# Altium PCB Steezy60SMK.PcbDoc (part 2 of 2)
Units mm, origin at the board's own origin, x right, y up, seen from the top; angles counter-clockwise.
Board outline 285.25 x 94.86 mm, 2 copper layers (Component Side, Bottom Layer), stack 1.571 mm thick; 192 components, 116 nets, 1090 pads, 120 vias.
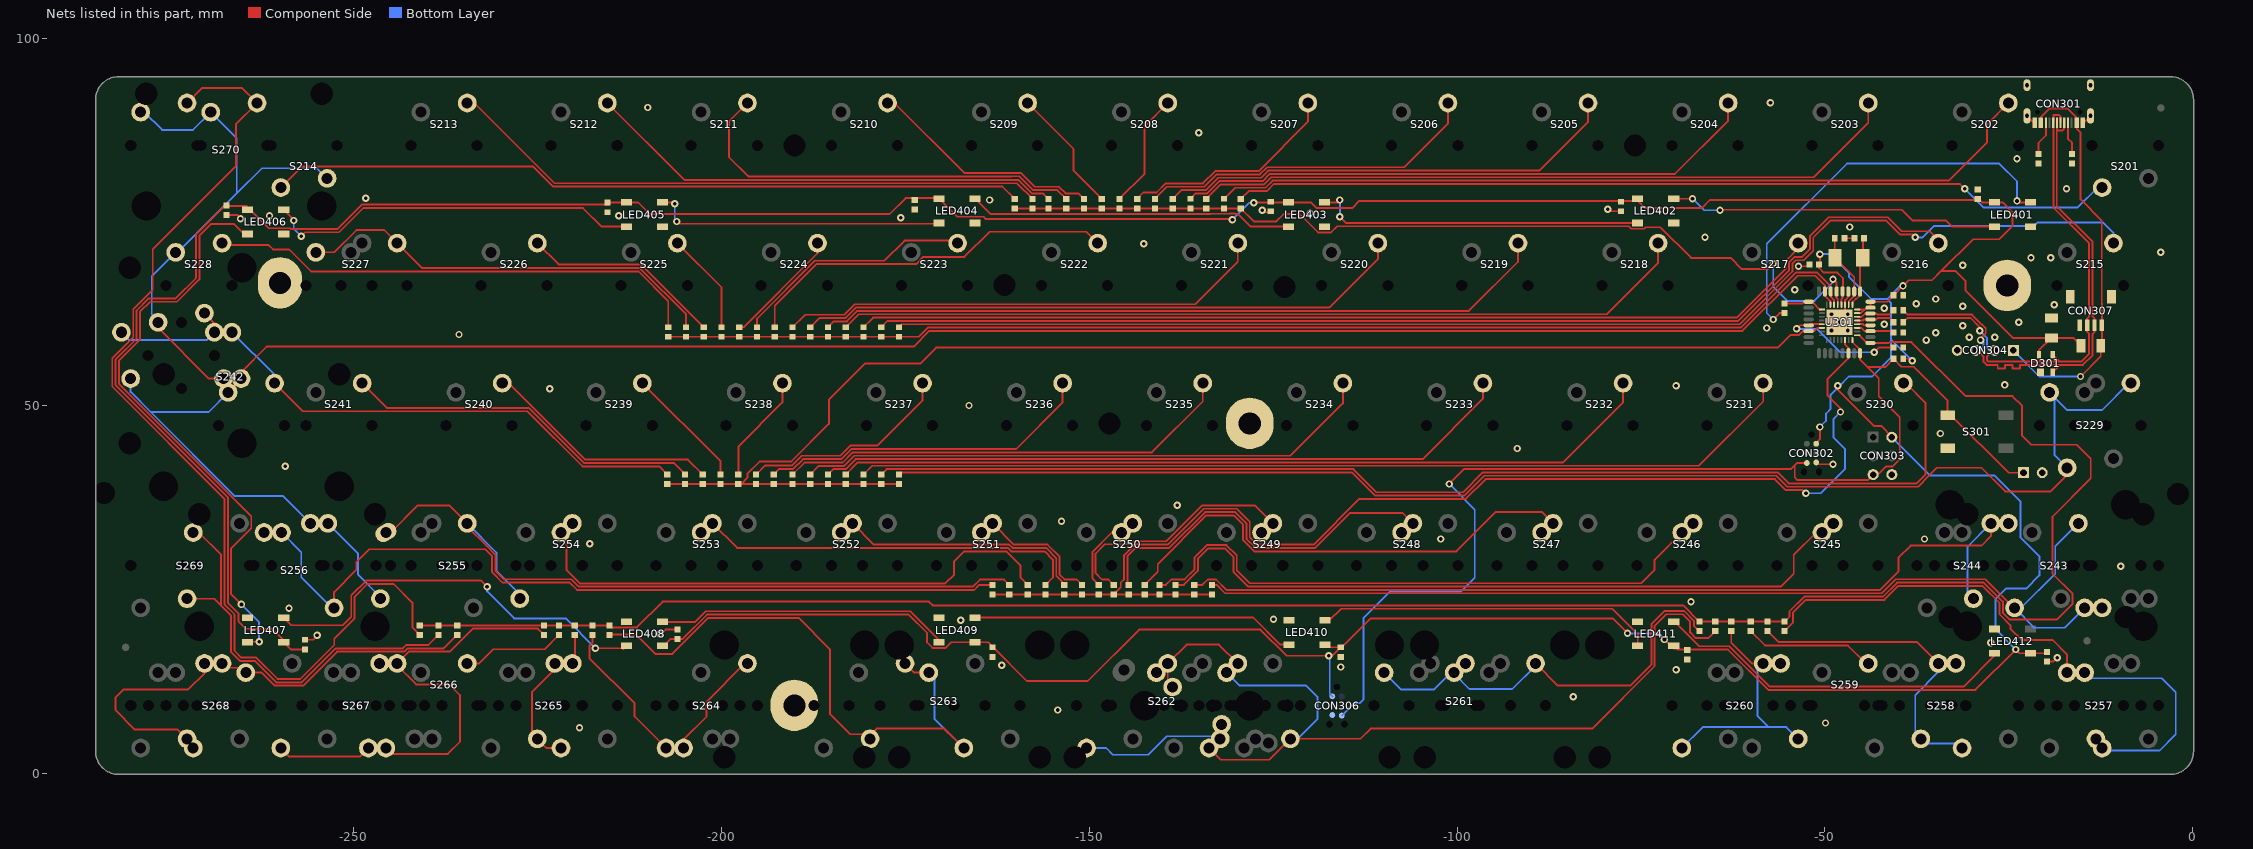
[diagram p2: the nets of this part, all layers, seen from the top]

## Via types
v1: diameter 1, hole 0.5, Component Side to Bottom Layer, tented both sides, 115 vias
v2: diameter 1, hole 0.5, Component Side to Bottom Layer, tented bottom, 5 vias

## Nets (pads, with @x,y where several pads share a name; then routed paths per layer and width w, separated by ;. In a path a pad name is that pad's centre, name@x,y a point inside that pad or via, vN(x,y) a via of type N, cw(c..) or ccw(c..) an arc to the next point about the centre after c; other vN are vias at no path point) (continued)
col13: S214.2 S228.2 S242.2 S256.2 S270.2 U301.7 | length 361.7
  Component Side w0.254: S242.2@-276.63,61.345 -276.63,60.603 -269.722,53.695 S242.2@-267.742,53.695 ; S228.2@-274.237,70.865 -273.937,70.565 S228.2@-273.937,70.102 ; S242.2@-267.73,53.235 S242.2@-267.73,53.695 ; S242.2@-267.1,51.815 -265.349,53.566 S242.2@-265.349,53.695 -265.349,54.583 -261.893,58.039 -173.904,58.039 -171.777,60.166 -61.225,60.166 -53.711,67.68 -51.297,67.68 -50.006,66.389 U301.7@-50.006,65.541 -50.006,64.978 -49.256,64.228 U301.7@-49.256,63.741
  Bottom Layer w0.254: S242.2@-280.361,53.695 -280.361,51.888 -277.622,49.149 ; S270.2@-279,89.915 -278.51,89.915 -276.098,87.503 -271.887,87.503 S270.2@-269.475,89.915 -265.936,86.376 -265.936,78.867 ; S242.2@-276.63,61.345 -276.63,61.571 -277.495,62.436 -277.495,67.608 S228.2@-274.237,70.865 ; S228.2@-273.937,70.865 -265.936,78.867 ; S242.2@-267.1,51.815 -269.766,49.149 -277.622,49.149 ; S242.2@-266.641,52.015 -266.484,52.038 -266.441,52.045 S242.2@-266.437,52.045 ; S242.2@-266.45,51.562 -266.703,51.562 S242.2@-266.45,51.815 ; S256.2@-255.93,34.015 -259.634,37.719 -266.192,37.719 -277.622,49.149 ; S214.2@-253.65,80.915 -255.031,82.296 -262.507,82.296 -265.936,78.867 ; S256.2@-253.549,34.015 -249.428,29.894 -249.428,27.017 -246.405,23.994 S256.2@-246.405,23.765
D_N: CON301.A7 CON301.B7 CON304.3 CON307.2 D301.2 R305.2 | length 73.8
  Component Side w0.254: R305.2@-39.35,62.992 -38.753,62.395 -30.01,62.395 -28.643,61.028 -28.612,61.028 -28.126,60.542 -28.126,59.854 -28.829,59.151 v1(-28.829,58.928) ; CON304.3@-29.464,57.531 -29.312,57.531 -28.423,56.642 -28.423,55.97 -28.002,55.55 -27.5,55.55 -26.496,55.55 -26.496,55.05 -25.492,55.05 -25.492,55.55 -24.488,55.55 -24.488,55.05 -23.484,55.05 -23.484,55.55 -19.431,55.55 -17.992,55.55 ; D301.2@-18.989,54.553 -17.992,55.55 ; -18.471,87.627 -18.471,77.145 -13.606,72.28 -13.606,62.133 -13.335,61.862 CON307.2@-13.335,60.96 -13.335,60.058 -13.606,59.787 -13.606,56.867 -14.924,55.55 -17.992,55.55 ; CON301.A7@-18.45,88.5 -18.427,88.5 -18.427,87.448 -17.665,87.448 -17.473,87.64 -17.473,88.5 CON301.B7@-17.45,88.5
  Bottom Layer w0.254: CON304.3@-29.464,56.896 -29.146,57.213 -28.423,57.937 -28.423,58.547 -28.804,58.928 v1(-28.829,58.928)
D_P: CON301.A6 CON301.B6 CON304.2 CON307.3 D301.3 R306.2 | length 70.1
  Component Side w0.254: R306.2@-39.35,61.341 -38.753,61.938 -30.199,61.938 -28.956,60.694 v1(-28.956,60.198) ; CON304.2@-26.924,57.531 -27.076,57.531 -27.965,56.642 -27.965,56.159 -27.813,56.007 -18.043,56.007 ; D301.3@-18.989,56.953 -18.043,56.007 ; CON301.A6@-17.95,88.5 -17.97,88.52 -17.97,89.357 -18.165,89.552 -18.927,89.552 -18.927,88.5 CON301.B6@-18.95,88.5 -18.95,87.648 -18.929,87.627 -18.929,76.956 -14.064,72.091 -14.064,62.133 -14.335,61.862 CON307.3@-14.335,60.96 -14.335,60.058 -14.064,59.787 -14.064,57.056 -15.113,56.007 -18.043,56.007
  Bottom Layer w0.254: v1@-28.925,60.198 -27.965,59.238 -27.965,57.937 -27.241,57.213 CON304.2@-26.924,56.896
D_PRE_N: R305.1 U301.30 | length 5.5
  Component Side w0.254: U301.30@-45.606,62.091 -44.984,62.091 -44.534,62.541 U301.30@-43.806,62.541 -42.979,62.541 -42.833,62.395 -41.237,62.395 -40.645,62.987 R305.1@-40.64,62.992
D_PRE_P: R306.1 U301.29 | length 5.4
  Component Side w0.254: U301.29@-45.606,61.591 -44.835,61.591 -44.685,61.741 U301.29@-43.806,61.741 -42.979,61.741 -42.782,61.938 -41.237,61.938 -40.645,61.346 R306.1@-40.64,61.341
GND: C301.1 C302.1 C303.1 C304.1 C305.1 C306.1 C401.1 C402.1 C403.1 C404.1 C405.1 C406.1 C407.1 C408.1 C409.1 C410.1 C411.1 C412.1 CON301.A1B12 CON301.B1A12 CON301.S1 CON302.6 CON303.6 CON304.4 CON305.2 CON306.6 CON307.4 CON307.5 D301.1 LED401.3 LED402.3 LED403.3 LED404.3 LED405.3 LED406.3 LED407.3 LED408.3 LED409.3 LED410.3 LED411.3 LED412.3 pad.CHECK@-25.2,66.365 pad.POKER@-190.119,9.271 pad.POKER@-260.05,66.715 pad.TADA R301.2 R303.2 R304.2 S301.2 U301.3 U301.28 | length 26.3
  Component Side w0.254: C406.1@-267.335,75.931 -265.796,75.931 -265.366,75.501 v1@-265.303,75.438 ; C407.1@-256.667,18.176 -255.509,18.176 -254.952,18.732 v1@-254.889,18.796 ; v1@-208.28,18.923 -207.63,19.573 C408.1@-205.994,19.573 ; v1@-126.492,76.312 C403.1@-125.349,76.312 ; v1@-79.375,76.708 -79.106,76.439 C402.1@-77.724,76.439 ; v1(-53.594,68.961) -52.339,68.961 C302.1@-52.085,69.215 ; CON302.6@-51.308,42.291 -51.244,42.227 -51.054,42.037 v1(-48.895,42.037) ; v2(-48.006,61.341) -47.256,62.091 -47.256,62.441 U301.3@-47.256,63.741 -47.256,64.37 -46.806,64.82 U301.3@-46.806,65.541 ; C306.1@-47.356,72.771 C305.1@-45.974,72.771 ; U301.28@-45.606,61.091 -44.835,61.091 -44.685,60.941 U301.28@-43.806,60.941 ; CON301.S1@-22.52,89.415 -21.605,88.5 CON301.B1A12@-21.45,88.5 ; C412.1@-19.812,15.225 -18.938,15.225 v1(-18.415,15.748) ; CON301.A1B12@-14.95,88.5 -14.795,88.5 CON301.S1@-13.88,89.415
  other v1: -219.329,6.223 -49.911,6.858 -154.305,8.636 -84.201,10.414 -70.231,14.097 -115.824,14.478 -161.925,14.732 -27.432,17.78 -255.016,18.796 -208.407,18.923 -167.513,20.828 -124.968,20.955 -258.826,22.479 -68.199,23.368 -9.779,28.194 -217.932,31.242 -102.235,31.877 -36.449,31.877 -153.797,34.29 -138.049,36.449 -259.334,41.783 -91.821,44.196 -34.29,46.228 -166.37,50.038 -223.393,52.324 -70.231,52.705 -25.527,52.832 -36.195,58.928 -30.353,59.309 -26.924,59.309 -235.712,59.69 -34.925,59.944 -57.912,60.579 -31.242,60.871 -41.91,61.087 -23.622,61.341 -41.91,63.246 -31.242,63.538 -18.796,63.754 -37.592,63.881 -34.925,64.516 -54.102,65.786 -31.242,69.088 -21.971,70.104 -19.304,70.104 -4.318,70.866 -142.621,72.009 -66.294,72.898 -46.609,74.295 -265.43,75.438 -175.641,75.565 -261.493,75.819 -213.995,75.819 -120.015,76.2 -126.492,76.581 -79.502,76.708 -163.576,77.978 -248.412,78.232 -17.145,79.502 -23.876,83.566 -135.128,87.122 -210.058,90.551 -57.404,91.186
  other v2: -49.106,60.241 -46.906,60.241 -49.106,62.441 -46.906,62.441
NetC301_2: C301.2 U301.27 | length 5.2
  Component Side w0.254: U301.27@-45.606,60.591 -45.025,60.591 -44.575,60.141 U301.27@-43.806,60.141 -40.852,60.141 C301.2@-40.655,59.944
NetC305_2: C305.2 U301.1 X301.1 | length 9.7
  Component Side w0.254: U301.1@-46.256,63.741 -46.256,64.086 -45.828,64.514 -45.757,64.514 -45.206,65.065 U301.1@-45.206,65.541 -45.206,69.734 X301.1@-44.836,70.104 -44.836,72.609 C305.2@-44.674,72.771
NetC306_2: C306.2 U301.2 X301.2 | length 10.4
  Component Side w0.254: C306.2@-48.656,72.771 -48.656,70.124 X301.2@-48.636,70.104 -46.006,67.474 U301.2@-46.006,65.541 -46.006,64.978 -46.756,64.228 U301.2@-46.756,63.741
NetCON301_A5: CON301.A5 R303.1 | length 4.5
  Component Side w0.254: CON301.A5@-16.95,88.5 -16.95,86.322 -16.383,85.755 R303.1@-16.383,84.231
NetCON301_B5: CON301.B5 R304.1 | length 4.7
  Component Side w0.254: R304.1@-20.955,84.216 -20.955,85.74 -19.95,86.745 CON301.B5@-19.95,88.5
NetD201_1: D201.1 S201.1 | length 120.4
  Component Side w0.254: D201.1@-129.413,78.12 -128.342,79.191 -125.872,79.191 -124.91,80.153 -31.639,80.153 v1(-30.988,79.502)
  Bottom Layer w0.254: v1(-30.988,79.502) -28.448,76.962 -15.635,76.962 -12.932,79.665 S201.1@-12.3,79.665
NetD202_1: D202.1 S202.1 | length 113.5
  Component Side w0.254: D202.1@-131.699,78.142 -130.196,79.645 -126.06,79.645 -125.098,80.607 -33.185,80.607 -27.94,85.852 -27.94,88.275 S202.1@-25.05,91.165
NetD203_1: D203.1 S203.1 | length 97
  Component Side w0.254: D203.1@-134.112,78.12 -132.133,80.099 -126.248,80.099 -125.286,81.061 -51.527,81.061 -44.1,88.488 S203.1@-44.1,91.165
NetD204_1: D204.1 S204.1 | length 79.9
  Component Side w0.254: D204.1@-136.271,78.142 -135.546,78.867 -134.007,78.867 -132.321,80.553 -126.436,80.553 -125.474,81.515 -70.377,81.515 -63.15,88.742 S204.1@-63.15,91.165
NetD205_1: D205.1 S205.1 | length 63.4
  Component Side w0.254: D205.1@-138.684,78.135 -137.498,79.321 -134.195,79.321 -132.509,81.007 -126.624,81.007 -125.662,81.969 -88.846,81.969 -82.2,88.615 S205.1@-82.2,91.165
NetD206_1: D206.1 S206.1 | length 46.9
  Component Side w0.254: D206.1@-141.097,78.135 -139.457,79.775 -134.383,79.775 -132.697,81.461 -126.812,81.461 -125.85,82.423 -107.188,82.423 -101.25,88.361 S206.1@-101.25,91.165
NetD207_1: D207.1 S207.1 | length 30.1
  Component Side w0.254: D207.1@-143.51,78.135 -142.651,78.994 -140.88,78.994 -139.645,80.229 -134.571,80.229 -132.885,81.915 -127,81.915 -120.3,88.615 S207.1@-120.3,91.165
NetD208_1: D208.1 S208.1 | length 15.8
  Component Side w0.254: D208.1@-145.923,78.135 -142.494,81.564 -142.494,88.021 S208.1@-139.35,91.165
NetD209_1: D209.1 S209.1 | length 17.2
  Component Side w0.254: S209.1@-158.4,91.165 -152.146,84.911 -152.146,81.945 D209.1@-148.336,78.135
NetD210_1: D210.1 S210.1 | length 32.1
  Component Side w0.254: S210.1@-177.45,91.165 -176.509,91.165 -167.005,81.661 -159.349,81.661 -157.463,79.775 -154.16,79.775 -153.247,78.862 -151.491,78.862 D210.1@-150.749,78.12
NetD211_1: D211.1 S211.1 | length 59.1
  Component Side w0.254: S211.1@-196.5,91.165 -199.009,88.656 -199.009,83.82 -196.342,81.153 -160.655,81.153 ; -163.195,81.207 -159.537,81.207 -157.651,79.321 -154.348,79.321 D211.1@-153.162,78.135
NetD212_1: D212.1 S212.1 | length 65.4
  Component Side w0.254: S212.1@-215.55,91.165 -205.084,80.699 -159.671,80.699 -157.839,78.867 -156.322,78.867 D212.1@-155.575,78.12
NetD213_1: D213.1 S213.1 | length 82.3
  Component Side w0.254: S213.1@-234.6,91.165 -233.652,91.165 -222.732,80.245 -159.859,80.245 D213.1@-157.734,78.12
NetD214_1: D214.1 S214.1 | length 102.8
  Component Side w0.254: S214.1@-259.95,79.665 -257.103,82.512 -225.641,82.512 -222.92,79.791 -161.818,79.791 D214.1@-160.147,78.12
NetD215_1: D215.1 S215.1 | length 176.6
  Component Side w0.254: D215.1@-175.895,60.674 -175.495,61.074 -61.601,61.074 -54.421,68.254 -54.421,69.304 -53.937,69.788 -52.887,69.788 -51.574,71.101 -51.574,72.879 -49.269,75.184 -41.656,75.184 -39.743,73.271 -38.092,73.271 v1(-37.719,72.898)
  Bottom Layer w0.254: v1(-37.719,72.898) -36.703,72.898 -35.179,74.422 -21.59,74.422 -21.082,74.93 -12.192,74.93 -10.763,73.501 S215.1@-10.763,72.115
NetD216_1: D216.1 S216.1 | length 153.3
  Component Side w0.254: D216.1@-178.308,60.674 -177.454,61.528 -61.789,61.528 -54.875,68.442 -54.875,69.492 -54.125,70.242 -53.075,70.242 -52.028,71.289 -52.028,73.067 -49.457,75.638 -41.468,75.638 -39.555,73.725 -35.762,73.725 -34.575,72.538 S216.1@-34.575,72.115
NetD217_1: D217.1 S217.1 | length 132.9
  Component Side w0.254: D217.1@-180.721,60.674 -179.413,61.982 -61.977,61.982 -55.329,68.63 -55.329,69.68 -53.625,71.384 S217.1@-53.625,72.115
NetD218_1: D218.1 S218.1 | length 116.8
  Component Side w0.254: D218.1@-183.134,60.674 -181.372,62.436 -79.677,62.436 -72.675,69.438 S218.1@-72.675,72.115
NetD219_1: D219.1 S219.1 | length 100.1
  Component Side w0.254: D219.1@-185.547,60.674 -184.753,61.468 -182.982,61.468 -181.56,62.89 -98.4,62.89 -91.725,69.565 S219.1@-91.725,72.115
NetD220_1: D220.1 S220.1 | length 83.2
  Component Side w0.254: D220.1@-187.96,60.674 -186.712,61.922 -183.17,61.922 -181.748,63.344 -117.377,63.344 -110.775,69.946 S220.1@-110.775,72.115
NetD221_1: D221.1 S221.1 | length 66.8
  Component Side w0.254: D221.1@-190.373,60.674 -188.671,62.376 -183.358,62.376 -181.936,63.798 -135.592,63.798 -129.825,69.565 S221.1@-129.825,72.115
NetD222_1: D222.1 S222.1 | length 51.7
  Component Side w0.254: D222.1@-192.786,60.674 -192.786,63.613 -187.131,69.268 -173.564,69.268 -172.601,70.231 -167.005,70.231 -163.576,73.66 -150.42,73.66 S222.1@-148.875,72.115
NetD223_1: D223.1 S223.1 | length 33
  Component Side w0.254: D223.1@-195.199,60.674 -195.199,61.842 -187.319,69.722 -177.873,69.722 -175.133,72.462 -168.272,72.462 S223.1@-167.925,72.115
NetD224_1: D224.1 S224.1 | length 16.2
  Component Side w0.254: D224.1@-197.612,60.674 -197.009,60.674 -186.975,70.708 S224.1@-186.975,72.115
NetD225_1: D225.1 S225.1 | length 13.9
  Component Side w0.254: S225.1@-206.025,72.115 -200.025,66.115 D225.1@-200.025,60.674
NetD226_1: D226.1 S226.1 | length 27.4
  Component Side w0.254: S226.1@-225.075,72.115 -222.175,69.215 -210.979,69.215 D226.1@-202.438,60.674
NetD227_1: D227.1 S227.1 | length 58.1
  Component Side w0.254: S227.1@-255.187,70.865 -252.683,70.865 -249.652,73.896 -245.906,73.896 S227.1@-244.125,72.115 -240.717,68.707 -211.113,68.707 -204.851,62.445 D227.1@-204.851,60.674
NetD228_1: D228.1 S228.1 | length 67.5
  Component Side w0.254: S228.1@-267.938,72.115 -267.704,71.882 -261.641,71.882 -261.006,71.247 -258.826,71.247 -255.832,68.253 -211.301,68.253 -207.264,64.216 D228.1@-207.264,60.674
NetD229_1: D229.1 S229.1 | length 190.2
  Component Side w0.254: D229.1@-175.895,40.655 -175.622,40.928 -114.3,40.928 -111.164,37.792 -99.009,37.792 -96.327,40.474 -56.596,40.474 -55.111,38.989 -37.331,38.989 -35.868,40.452 -35.868,40.457 -34.76,41.565 -28.702,41.565 -25.491,38.354 -19.304,38.354 -17.062,40.596 S229.1@-17.062,41.565
  Bottom Layer w0.254: S229.1@-19.444,51.815 S229.1@-18.796,51.167 ; S229.1@-17.062,41.565 -17.062,41.573 -18.796,43.307 S229.1@-18.796,51.167 ; S229.1@-8.381,53.065 -8.657,53.065 -12.319,49.403 -17.032,49.403 S229.1@-18.796,51.167
NetD230_1: D230.1 S230.1 | length 159.7
  Component Side w0.254: D230.1@-178.308,40.65 -177.576,41.382 -114.112,41.382 -110.976,38.246 -99.197,38.246 -96.515,40.928 -56.408,40.928 -54.923,39.443 -37.519,39.443 -36.322,40.64 -36.322,50.419 -38.968,53.065 S230.1@-39.338,53.065
NetD231_1: D231.1 S231.1 | length 128.9
  Component Side w0.254: D231.1@-180.721,40.65 -179.535,41.836 -67.13,41.836 -58.388,50.578 S231.1@-58.388,53.065
NetD232_1: D232.1 S232.1 | length 112.4
  Component Side w0.254: D232.1@-183.134,40.65 -181.494,42.29 -85.599,42.29 -77.438,50.451 S232.1@-77.438,53.065
NetD233_1: D233.1 S233.1 | length 95.4
  Component Side w0.254: D233.1@-185.547,40.65 -184.82,41.377 -183.159,41.377 -181.792,42.744 -104.703,42.744 -96.488,50.959 S233.1@-96.488,53.065
NetD234_1: D234.1 S234.1 | length 79.2
  Component Side w0.254: D234.1@-187.96,40.65 -186.779,41.831 -183.347,41.831 -181.98,43.198 -122.664,43.198 -115.538,50.324 S234.1@-115.538,53.065
NetD235_1: D235.1 S235.1 | length 62.4
  Component Side w0.254: D235.1@-190.373,40.65 -188.738,42.285 -183.535,42.285 -182.168,43.652 -141.514,43.652 -134.588,50.578 S235.1@-134.588,53.065
NetD236_1: D236.1 S236.1 | length 45.9
  Component Side w0.254: D236.1@-192.913,40.65 -192.161,41.402 -190.263,41.402 -188.926,42.739 -183.723,42.739 -182.356,44.106 -159.983,44.106 -153.638,50.451 S236.1@-153.638,53.065
NetD237_1: D237.1 S237.1 | length 29.1
  Component Side w0.254: D237.1@-195.326,40.65 -194.12,41.856 -190.451,41.856 -189.114,43.193 -183.911,43.193 -182.527,44.577 -178.875,44.577 -172.688,50.765 S237.1@-172.688,53.065
NetD238_1: D238.1 S238.1 | length 14.9
  Component Side w0.254: D238.1@-197.739,40.65 -197.739,44.45 -191.738,50.451 S238.1@-191.738,53.065
NetD239_1: D239.1 S239.1 | length 16.8
  Component Side w0.254: S239.1@-210.788,53.065 -200.152,42.43 D239.1@-200.152,40.65
NetD240_1: D240.1 S240.1 | length 32.4
  Component Side w0.254: S240.1@-229.838,53.065 -228.946,53.065 -218.553,42.672 -204.587,42.672 D240.1@-202.565,40.65
NetD241_1: D241.1 S241.1 | length 49
  Component Side w0.254: S241.1@-248.888,53.065 -245.533,49.711 -226.234,49.711 -218.741,42.218 -206.541,42.218 D241.1@-204.978,40.655
NetD242_1: D242.1 S242.1 | length 84.6
  Component Side w0.254: S242.1@-270.33,62.595 -268.98,61.245 S242.1@-268.98,59.995 ; S242.1@-260.8,53.065 -256.992,49.257 -226.422,49.257 -218.929,41.764 -208.505,41.764 D242.1@-207.391,40.65
  Bottom Layer w0.254: S242.1@-281.611,59.995 -280.544,58.928 -270.047,58.928 S242.1@-268.98,59.995 ; S242.1@-266.599,59.995 -260.8,54.196 S242.1@-260.8,53.065
NetD243_1: D243.1 S243.1 | length 139.5
  Component Side w0.254: D243.1@-133.35,25.65 -132.705,25.65 -131.566,24.511 -42.284,24.511 -40.379,26.416 -28.205,26.416 -25.151,23.363 -25.151,23.246 -24.42,22.515 S243.1@-24.206,22.515
  Bottom Layer w0.254: S243.1@-15.525,34.015 -18.669,30.871 -18.669,27.178 -23.332,22.515 S243.1@-24.206,22.515 -21.503,19.812 -17.384,19.812 S243.1@-14.681,22.515
NetD244_1: D244.1 S244.1 | length 127
  Component Side w0.254: D244.1@-135.763,25.65 -134.637,25.65 -133.91,26.377 -132.79,26.377 -131.378,24.965 -42.472,24.965 -40.005,27.432 -40.005,29.337 -38.354,30.988 -28.702,30.988 -27.431,32.259 S244.1@-27.431,34.015
  Bottom Layer w0.254: S244.1@-29.812,23.765 -30.607,24.56 -30.607,30.839 S244.1@-27.431,34.015
NetD245_1: D245.1 S245.1 | length 98.8
  Component Side w0.254: D245.1@-138.303,25.65 -137.164,25.65 -135.255,27.559 -135.255,29.21 -133.858,30.607 -131.572,30.607 -130.429,29.464 -130.429,27.432 -128.416,25.419 -55.988,25.419 -54.229,27.178 -54.229,29.718 -51.182,32.765 S245.1@-50.4,32.765
NetD246_1: D246.1 S246.1 | length 81.2
  Component Side w0.254: D246.1@-140.462,25.65 -139.59,25.65 -138.863,26.377 -137.079,26.377 -135.709,27.747 -135.709,29.398 -134.046,31.061 -131.384,31.061 -129.975,29.652 -129.975,27.62 -128.228,25.873 -74.965,25.873 -73.152,27.686 -73.152,29.063 S246.1@-69.45,32.765
NetD247_1: D247.1 S247.1 | length 66.6
  Component Side w0.254: D247.1@-142.494,25.65 -140.716,27.428 -140.716,28.464 -134.093,35.087 -130.351,35.087 -129.105,33.841 -129.105,31.727 -127.584,30.207 -100.095,30.207 -94.742,35.56 -88.507,35.56 S247.1@-86.962,34.015 ; S247.1@-88.901,32.765 S247.1@-88.5,32.765
NetD248_1: D248.1 S248.1 | length 51.1
  Component Side w0.254: D248.1@-144.653,25.65 -144.834,25.831 -144.834,29.505 -143.678,30.661 -139.161,30.661 -134.281,35.541 -130.163,35.541 -128.651,34.029 -128.651,31.915 -127.396,30.661 -119.319,30.661 -114.547,35.433 -107.43,35.433 S248.1@-106.012,34.015
NetD249_1: D249.1 S249.1 | length 33.6
  Component Side w0.254: D249.1@-146.685,25.65 -147.412,26.377 -148.297,26.377 -149.152,27.232 -149.152,29.911 -147.895,31.168 -144.455,31.168 -144.054,31.569 -139.537,31.569 -134.657,36.449 -127.496,36.449 S249.1@-125.062,34.015
NetD250_1: D250.1 S250.1 | length 12
  Component Side w0.254: D250.1@-148.717,25.65 -149.606,26.539 -149.606,30.099 -146.94,32.765 S250.1@-145.65,32.765 S250.1@-144.907,32.022 ; S250.1@-144.112,32.915 S250.1@-144.112,34.015
NetD251_1: D251.1 S251.1 | length 18.1
  Component Side w0.254: S251.1@-164.7,32.765 S251.1@-163.957,32.022 ; S251.1@-163.162,34.015 -160.262,31.115 -155.702,31.115 -154.051,29.464 -154.051,27.051 -153.377,26.377 -151.73,26.377 D251.1@-151.003,25.65
NetD252_1: D252.1 S252.1 | length 33.8
  Component Side w0.254: S252.1@-182.212,34.015 -179.312,31.115 -160.904,31.115 -160.45,30.661 -155.89,30.661 -154.505,29.276 -154.505,26.863 -153.565,25.923 -153.416,25.923 D252.1@-153.416,25.65
NetD253_1: D253.1 S253.1 | length 53.2
  Component Side w0.254: S253.1@-202.8,32.765 S253.1@-202.057,32.022 ; S253.1@-201.262,34.015 -197.908,30.661 -161.092,30.661 -160.638,30.207 -156.078,30.207 -154.959,29.088 -154.959,26.647 D253.1@-155.956,25.65
NetD254_1: D254.1 S254.1 | length 74.6
  Component Side w0.254: S254.1@-221.85,32.765 -221.107,32.022 -221.107,27.686 -219.275,25.854 -169.599,25.854 -168.402,27.051 -168.402,28.829 -167.024,30.207 -161.29,30.207 -159.385,28.302 -159.385,26.666 D254.1@-158.369,25.65
NetD255_1: D255.1 S255.1 | length 106.3
  Component Side w0.254: S255.1@-245.662,32.765 -244.984,32.765 -241.3,36.449 -237.034,36.449 S255.1@-234.6,34.015 -234.6,33.559 -231.975,30.934 -231.968,30.934 -230.759,29.725 -230.759,27.559 -229.616,26.416 -220.479,26.416 -219.463,25.4 -165.843,25.4 -164.866,26.377 -161.636,26.377 D255.1@-160.909,25.65
  Bottom Layer w0.254: S255.1@-234.6,34.015 -230.632,30.047 -230.632,27.559 -227.456,24.383 S255.1@-227.456,23.765
NetD256_1: D256.1 S256.1 | length 111.9
  Component Side w0.254: S256.1@-252.705,22.515 -252.705,24.663 -249.682,27.686 -249.682,28.702 -247.904,30.48 -232.156,30.48 -231.213,29.537 -231.213,27.371 -229.804,25.962 -220.667,25.962 -219.651,24.946 -165.655,24.946 -164.951,25.65 D256.1@-163.195,25.65
  Bottom Layer w0.254: S256.1@-259.849,32.765 -257.175,30.091 -257.175,26.67 -253.02,22.515 S256.1@-252.705,22.515
NetD257_1: D257.1 S257.1 | length 80.6
  Component Side w0.254: D257.1@-55.499,19.35 -54.356,20.493 -54.356,21.844 -52.597,23.603 -41.908,23.603 -40.003,25.508 -28.581,25.508 -26.257,23.185 -26.257,21.642 -24.765,20.149 -24.765,19.685 -23.241,18.161 -19.05,18.161 -17.062,16.173 S257.1@-17.062,13.715 ; S257.1@-12.3,3.465 S257.1@-11.557,4.208
  Bottom Layer w0.254: S257.1@-14.681,13.715 -13.92,12.954 -4.191,12.954 -2.286,11.049 -2.286,5.334 -4.502,3.118 -11.953,3.118 S257.1@-12.3,3.465
NetD258_1: D258.1 S258.1 | length 43.9
  Component Side w0.254: D258.1@-57.785,19.35 -56.288,17.853 -37.462,17.853 S258.1@-34.575,14.965 S258.1@-35.433,14.965
  Bottom Layer w0.254: S258.1@-34.575,14.965 -34.575,13.812 -37.719,10.668 -37.719,5.478 S258.1@-36.956,4.715 -36.305,4.064 -31.948,4.064 S258.1@-31.349,3.465
NetD259_1: D259.1 S259.1 | length 17.4
  Component Side w0.254: D259.1@-60.071,19.35 -58.12,17.399 -46.863,17.399 S259.1@-44.45,14.986
NetD260_1: D260.1 S260.1 | length 34.5
  Component Side w0.254: S260.1@-69.632,3.465 S260.1@-69.449,3.465 ; D260.1@-62.738,19.35 -62.738,17.78 -59.923,14.965 S260.1@-58.387,14.965
  Bottom Layer w0.254: S260.1@-69.449,3.465 -66.602,6.312 -57.658,6.312 ; S260.1@-58.387,14.965 -59.182,14.17 -59.182,7.836 -57.658,6.312 ; S260.1@-53.625,4.715 -55.221,6.312 -57.658,6.312
NetD261_1: D261.1 S261.1 | length 58.3
  Component Side w0.254: S261.1@-110.399,14.183 S261.1@-109.931,13.715 ; S261.1@-89.343,14.965 -86.316,11.938 -76.461,11.938 -73.596,14.803 -73.596,20.264 -71.754,22.106 -69.154,22.106 -67.818,20.77 -67.818,20.112 D261.1@-67.056,19.35
  Bottom Layer w0.254: S261.1@-109.931,13.715 -107.646,11.43 -103.124,11.43 -100.839,13.715 S261.1@-100.406,13.715 -100.406,13.543 -98.347,11.484 -92.529,11.484 -89.343,14.67 S261.1@-89.343,14.965
NetD262_1: D262.1 S262.1 | length 141
  Component Side w0.254: S262.1@-138.379,12.065 S262.1@-138.689,11.755 -139.35,12.415 S262.1@-139.35,14.965 -136.789,17.526 -132.385,17.526 S262.1@-129.825,14.965 ; S262.1@-133.736,3.465 -132.139,1.868 -125.52,1.868 S262.1@-122.673,4.715 -113.141,4.715 -111.76,6.096 -81.661,6.096 -73.143,14.614 -73.143,20.075 -71.566,21.652 -69.342,21.652 -68.319,20.629 -68.319,19.177 -67.557,18.415 -65.832,18.415 D262.1@-64.897,19.35
  Bottom Layer w0.254: S262.1@-150.397,3.465 -147.737,3.465 -146.812,2.54 -141.986,2.54 -139.464,5.062 -132.56,5.062 S262.1@-132.213,4.715 ; S262.1@-134.19,3.919 S262.1@-133.736,3.465 ; S262.1@-131.354,13.715 -129.577,11.938 -120.523,11.938 -118.999,10.414 -118.999,7.366 -121.65,4.715 S262.1@-122.673,4.715
NetD263_1: D263.1 S263.1 | length 82.5
  Component Side w0.254: D263.1@-215.265,18.908 -211.694,18.908 -209.042,16.256 -206.699,16.256 -201.809,21.146 -189.548,21.146 -185.293,16.891 -185.293,8.128 -182.499,5.334 -180.45,5.334 S263.1@-179.831,4.715 -179.831,5.208 -178.943,6.096 -169.712,6.096 S263.1@-167.081,3.465 ; S263.1@-175.068,14.965 -173.818,13.715 S263.1@-171.843,13.715
  Bottom Layer w0.254: S263.1@-179.831,4.715 S263.1@-179.308,4.715 ; S263.1@-175.068,14.965 S263.1@-174.482,14.379 ; S263.1@-171.843,13.715 -171.069,12.941 -171.069,7.453 S263.1@-167.081,3.465
NetD264_1: D264.1 S264.1 | length 35.2
  Component Side w0.254: D264.1@-217.551,18.842 -217.551,17.807 -217.997,17.361 -217.997,15.686 -211.844,9.533 -211.844,7.747 S264.1@-207.562,3.465 ; S264.1@-205.181,3.465 -205.181,4.623 -202.057,7.747 -202.057,9.779 -196.871,14.965 S264.1@-196.5,14.965
NetD265_1: D265.1 S265.1 | length 20.5
  Component Side w0.254: S265.1@-223.58,14.965 S265.1@-222.693,14.965 -222.693,14.162 -225.806,11.049 -225.806,5.446 S265.1@-225.075,4.715 -223.825,3.465 S265.1@-221.849,3.465 ; S265.1@-220.312,14.965 -219.964,15.313 D265.1@-219.964,18.842
NetD266_1: D266.1 S266.1 | length 14.1
  Component Side w0.254: S266.1@-234.6,14.965 -232.985,14.965 -231.059,16.891 -224.074,16.891 D266.1@-222.123,18.842
NetD267_1: D267.1 S267.1 | length 64
  Component Side w0.254: S267.1@-259.949,3.465 -258.77,2.286 -249.222,2.286 S267.1@-248.043,3.465 S267.1@-247.396,4.112 ; S267.1@-245.662,3.465 -244.864,2.667 -237.236,2.667 -235.585,4.318 -235.585,10.668 -237.035,12.118 -241.561,12.118 -244.125,14.681 S267.1@-244.125,14.965 -242.528,16.562 -236.959,16.562 -233.833,19.688 -225.001,19.688 D267.1@-224.155,18.842
NetD268_1: D268.1 S268.1 | length 63.9
  Component Side w0.254: S268.1@-272.557,4.572 S268.1@-272.7,4.715 -273.954,5.969 -279.781,5.969 -282.448,8.636 -282.448,10.287 -281.305,11.43 -272.542,11.43 -270.318,13.654 S268.1@-270.318,14.965 ; S268.1@-267.937,14.965 -267.348,14.376 S268.1@-264.712,14.376 ; S268.1@-264.712,13.715 -262.544,13.715 -260.767,11.938 -256.921,11.938 -252.297,16.562 -243.17,16.562 -242.716,17.016 -237.792,17.016 D268.1@-235.966,18.842
NetD269_1: D269.1 S269.1 | length 56.4
  Component Side w0.254: S269.1@-272.7,23.765 -269.012,23.765 -268.061,22.815 ; S269.1@-271.856,32.765 -271.108,32.765 -268.061,29.718 -268.061,22.815 ; D269.1@-238.506,18.842 -239.878,17.47 -242.904,17.47 -243.358,17.016 -252.485,17.016 -257.109,12.392 -260.579,12.392 -263.499,15.312 -265.509,15.312 -266.7,16.503 -266.7,21.453 -268.061,22.815
NetD270_1: D270.1 S270.1 | length 140
  Component Side w0.254: S270.1@-272.7,91.165 -270.647,93.218 -265.228,93.218 S270.1@-263.175,91.165 -266.065,88.275 -266.065,82.58 -277.368,71.277 -277.368,65.786 -280.014,63.14 -280.014,59.334 -282.866,56.482 -282.866,52.615 -267.607,37.356 -267.607,23.003 -266.246,21.642 -266.246,16.691 -265.321,15.766 -263.31,15.766 -260.39,12.846 -257.297,12.846 -252.673,17.47 -252.673,18.345 -249.911,21.107 -249.911,24.025 -248.174,25.762 -244.583,25.762 -242.062,23.241 -242.062,19.858 D270.1@-241.046,18.842
NetLED401_2: LED401.2 LED402.4 | length 45.3
  Component Side w0.254: LED402.4@-70.55,78.15 v1(-67.99,78.15) v1@-67.945,78.105 ; v1@-64.316,76.654 -64.262,76.654 -39.563,76.654 -38.1,75.191 -33.535,75.191 -32.694,74.35 LED401.2@-26.95,74.35
  Bottom Layer w0.254: v1(-67.99,78.15) -66.421,76.581 v1(-64.262,76.581)
NetLED401_4: LED401.4 R401.2 | length 56.7
  Component Side w0.254: v1(-57.023,61.722) -56.149,62.596 R401.2@-55.499,62.596 ; v1(-23.876,77.851) -23.675,77.65 LED401.4@-22.05,77.65
  Bottom Layer w0.254: v1(-57.023,61.722) -57.912,62.611 -57.912,72.009 -46.99,82.931 -26.289,82.931 -23.876,80.518 v1(-23.876,77.851)
NetLED402_2: LED402.2 LED403.4 | length 45.5
  Component Side w0.254: LED403.4@-118.036,77.65 -116.279,77.65 v1(-115.951,77.978) ; v1@-116.078,75.819 v1(-115.951,75.692) -115.116,74.857 -75.457,74.857 LED402.2@-75.45,74.85
  Bottom Layer w0.254: v1(-115.951,75.692) v1(-115.951,77.978)
NetLED403_2: LED403.2 LED404.4 | length 44.2
  Component Side w0.254: LED404.4@-165.55,78.15 -163.493,76.093 -133.552,76.093 -133.53,76.115 -130.922,76.115 -130.899,76.138 -130.213,76.138 -130.168,76.093 -129.814,76.093 -128.071,74.35 LED403.2@-122.936,74.35
NetLED404_2: LED404.2 LED405.4 | length 40.1
  Component Side w0.254: LED405.4@-208.05,77.65 -206.555,77.65 v1(-206.375,77.47) ; v1(-206.121,75.057) -205.802,74.738 -170.562,74.738 LED404.2@-170.45,74.85
  Bottom Layer w0.254: v1(-206.375,77.47) -206.375,75.311 v1(-206.121,75.057)
NetLED405_2: LED405.2 LED406.4 | length 51.7
  Component Side w0.254: LED406.4@-259.55,76.65 -258.191,75.291 v1(-258.191,75.184) ; v1@-257.302,72.898 v1(-257.175,73.025) -256.613,73.587 -252.034,73.587 -248.732,76.889 -218.875,76.889 -216.336,74.35 LED405.2@-212.95,74.35
  Bottom Layer w0.254: v1(-258.191,75.184) -258.191,74.041 v1(-257.175,73.025)
NetLED406_2: LED406.2 LED407.4 | length 81.5
  Component Side w0.254: v1(-265.303,22.987) -266.699,24.383 -266.699,30.614 -263.959,33.354 -263.959,34.992 -281.958,52.991 -281.958,56.105 -279.106,58.957 -279.106,62.764 -277.73,64.14 -274.061,64.14 -271.018,67.183 -271.018,73.145 -269.433,74.73 -266.373,74.73 -264.795,73.152 LED406.2@-264.45,73.152 ; LED407.4@-264.45,17.85 -264.393,17.907 v1(-262.89,17.907)
  Bottom Layer w0.254: v1(-265.303,22.987) -262.89,20.574 v1(-262.89,17.907)
NetLED407_2: LED407.2 LED408.4 | length 55.7
  Component Side w0.254: LED407.2@-259.55,21.15 -258.55,20.15 -251.51,20.15 -250.365,21.295 -250.365,24.213 -248.362,26.216 -232.718,26.216 v1(-231.902,25.4) ; v1(-217.17,17.018) -213.536,17.018 -213.409,16.891 LED408.4@-212.95,17.35
  Bottom Layer w0.254: v1(-231.902,25.4) -231.902,24.765 -228.219,21.082 -221.234,21.082 v1(-217.17,17.018)
NetLED408_2: LED408.2 LED409.4 | length 40.1
  Component Side w0.254: LED408.2@-208.05,20.574 -203.665,20.574 -202.185,22.054 -174.374,22.054 -170.45,18.13 LED409.4@-170.45,17.85
NetLED409_2: LED409.2 LED410.4 | length 44.2
  Component Side w0.254: LED409.2@-165.55,21.209 -127.756,21.209 -124.074,17.527 LED410.4@-122.846,17.527
NetLED410_2: LED410.2 LED411.4 | length 46.2
  Component Side w0.254: LED410.2@-117.946,20.827 -117.359,20.827 -115.78,22.406 -78.921,22.406 -75.45,18.935 LED411.4@-75.45,17.35
NetLED411_2: LED411.2 LED412.4 | length 49.3
  Component Side w0.254: LED411.2@-70.492,20.708 -67.088,17.304 -62.984,17.304 -57.491,11.811 -31.115,11.811 -26.95,15.976 LED412.4@-26.95,16.35
NetR301_1: R301.1 U301.13 | length 18.5
  Component Side w0.254: v1(-53.848,60.452) -53.359,60.941 U301.13@-52.206,60.941 -52.056,61.091 U301.13@-50.406,61.091 ; v1(-43.307,57.277) -42.672,57.912 R301.1@-40.655,57.912
  Bottom Layer w0.254: v1(-53.848,60.452) -51.09,60.452 -47.915,57.277 v1(-43.307,57.277)
PB0: D229.2 D230.2 D231.2 D232.2 D233.2 D234.2 D235.2 D236.2 D237.2 D238.2 D239.2 D240.2 D241.2 D242.2 U301.14 | length 189.3
  Component Side w0.254: D242.2@-207.391,39.35 -207.386,39.355 D241.2@-204.978,39.355 -202.565,39.355 -200.152,39.355 -197.739,39.355 -197.734,39.355 D238.2@-197.734,39.529 ; D229.2@-175.895,39.355 -178.308,39.355 -180.721,39.355 -183.134,39.355 -185.547,39.355 -187.96,39.355 -190.373,39.355 -192.913,39.355 -195.326,39.355 -197.373,39.355 -196.496,40.232 -196.496,40.767 -194.845,42.418 -190.531,42.418 -185.42,47.529 -185.42,50.8 -180.451,55.769 -172.963,55.769 -170.836,57.896 -56.385,57.896 -54.656,59.625 -53.505,59.625 -52.989,60.141 U301.14@-52.206,60.141 -51.437,60.141 -50.987,60.591 U301.14@-50.406,60.591
PC2: D201.2 D202.2 D203.2 D204.2 D205.2 D206.2 D207.2 D208.2 D209.2 D210.2 D211.2 D212.2 D213.2 D214.2 U301.5 | length 126.6
  Component Side w0.254: D214.2@-160.147,76.82 D213.2@-157.734,76.82 D212.2@-155.575,76.82 -153.162,76.82 D210.2@-150.749,76.82 -148.336,76.82 -145.923,76.82 -143.51,76.82 -141.097,76.82 -138.684,76.82 -136.271,76.82 D203.2@-134.112,76.82 -131.699,76.82 D201.2@-129.413,76.82 -127.65,75.057 -124.587,75.057 -123.571,76.073 -121.421,76.073 -118.921,73.573 -117.151,73.573 -116.321,74.403 -76.665,74.403 -76.335,74.073 -74.565,74.073 -74.373,74.265 -72.36,74.265 -68.199,70.104 -62.829,70.104 -61.305,68.58 -57.785,68.58 v1(-57.023,69.342) ; v1(-48.895,67.183) -48.406,66.694 U301.5@-48.406,65.541 -48.406,64.662 -48.256,64.512 U301.5@-48.256,63.741 ; v1(-57.023,69.342) -56.663,69.342 -56.843,69.522 v1(-57.023,69.342)
  Bottom Layer w0.254: v1(-57.023,69.342) -57.023,66.167 -55.118,64.262 -51.435,64.262 -48.895,66.802 v1(-48.895,67.183)
PC5: D257.2 D258.2 D259.2 D260.2 D261.2 D262.2 D263.2 D264.2 D265.2 D266.2 D267.2 D268.2 D269.2 D270.2 U301.25 | length 298.2
  Component Side w0.254: D270.2@-241.046,20.142 D269.2@-238.506,20.142 D268.2@-235.966,20.142 D267.2@-224.155,20.142 D266.2@-222.123,20.142 D265.2@-219.964,20.142 D264.2@-217.551,20.142 -215.331,20.142 -215.298,20.175 -215.265,20.208 -215.232,20.175 -214.93,19.873 -211.521,19.873 -208.026,23.368 -171.831,23.368 -171.323,22.86 -69.266,22.86 D261.2@-67.056,20.65 D262.2@-64.897,20.65 D260.2@-62.738,20.65 D259.2@-60.071,20.65 D258.2@-57.785,20.65 D257.2@-55.499,20.65 -54.81,21.339 -54.81,22.032 -52.785,24.057 -42.096,24.057 -40.191,25.962 -28.393,25.962 -25.803,23.373 -25.803,21.854 -24.868,20.918 -18.495,20.918 -16.309,23.104 -16.309,24.426 -19.05,27.167 -19.05,34.925 -13.843,40.132 -13.843,42.799 -15.748,44.704 -21.971,44.704 -23.187,45.92 -23.187,49.984 -24.511,51.308 -30.868,51.308 -38.224,58.664 -41.185,58.664 -41.308,58.541 U301.25@-43.806,58.541 -44.299,58.541 -45.349,59.591 U301.25@-45.606,59.591
PC7: D243.2 D244.2 D245.2 D246.2 D247.2 D248.2 D249.2 D250.2 D251.2 D252.2 D253.2 D254.2 D255.2 D256.2 U301.22 | length 165.8
  Component Side w0.254: D256.2@-163.195,24.35 D255.2@-160.909,24.35 D254.2@-158.369,24.35 D253.2@-155.956,24.35 D252.2@-153.416,24.35 D251.2@-151.003,24.35 D250.2@-148.717,24.35 D249.2@-146.685,24.35 ; D243.2@-133.35,24.35 D244.2@-135.763,24.35 D245.2@-138.303,24.35 D246.2@-140.462,24.35 D247.2@-142.494,24.35 D248.2@-144.653,24.35 D249.2@-146.685,24.35 ; v1(-52.578,38.1) -53.013,38.535 -55.299,38.535 -56.784,40.02 -96.139,40.02 -98.821,37.338 -113.284,37.338 -119.507,31.115 -127.208,31.115 -128.197,32.104 -128.197,34.217 -129.975,35.995 -134.469,35.995 -139.349,31.115 -143.866,31.115 -145.288,29.693 -145.288,26.419 -145.738,25.969 -145.738,25.297 D249.2@-146.685,24.35 ; v1(-47.879,49.149) -47.879,49.657 -49.657,51.435 -49.657,53.594 -46.806,56.445 U301.22@-46.806,56.76 ; U301.22@-47.256,58.941 -47.256,58.312 -46.806,57.862 U301.22@-46.806,57.141
  Bottom Layer w0.254: v1(-52.578,38.1) -50.546,38.1 -47.244,41.402 -47.244,44.069 -48.816,45.641 -48.816,48.212 v1(-47.879,49.149)
PD0: D215.2 D216.2 D217.2 D218.2 D219.2 D220.2 D221.2 D222.2 D223.2 D224.2 D225.2 D226.2 D227.2 D228.2 U301.6 | length 165.2
  Component Side w0.254: D228.2@-207.264,59.374 D227.2@-204.851,59.374 D226.2@-202.438,59.374 D225.2@-200.025,59.374 D224.2@-197.612,59.374 D223.2@-195.199,59.374 D222.2@-192.786,59.374 D221.2@-190.373,59.374 D220.2@-187.96,59.374 D219.2@-185.547,59.374 D218.2@-183.134,59.374 D217.2@-180.721,59.374 D216.2@-178.308,59.374 D215.2@-175.895,59.374 -173.211,59.374 -171.965,60.62 -61.413,60.62 -53.899,68.134 -51.109,68.134 -49.206,66.231 U301.6@-49.206,65.541 -49.206,64.82 -48.756,64.37 U301.6@-48.756,63.741
PD3: R401.1 U301.9 | length 6
  Component Side w0.254: R401.1@-55.254,64.141 R401.1@-55.499,63.896 -53.071,63.896 -52.826,64.141 U301.9@-52.206,64.141 -51.728,64.141 -51.179,63.592 -51.179,63.526 -50.744,63.091 U301.9@-50.406,63.091
RAW: CON301.A4B9 CON301.B4A9 CON304.1 CON307.1 F301.2 | length 55.1
  Component Side w0.254: CON301.B4A9@-20.65,88.5 -20.65,89.205 -19.431,90.424 -17.018,90.424 -15.75,89.156 CON301.A4B9@-15.75,88.5 -15.75,87.632 -15.24,87.122 -15.24,78.058 -12.36,75.178 -12.36,63.881 -12.335,63.881 CON307.1@-12.335,60.96 -12.335,58.324 F301.2@-12.493,58.166 -12.493,56.722 v1(-15.24,53.975)
  Bottom Layer w0.254: CON304.1@-24.384,57.531 -20.828,53.975 v1(-15.24,53.975)
RST: CON302.5 CON303.5 CON305.1 CON306.5 R302.2 S301.1 U301.24 | length 161.4
  Component Side w0.254: v1(-101.092,39.37) -99.08,41.382 -54.63,41.382 -54.102,41.91 ; CON302.5@-52.451,42.211 -53.801,42.211 -54.102,41.91 ; U301.24@-46.256,58.941 -46.256,58.667 -45.206,57.617 U301.24@-45.206,57.141 ; U301.24@-45.206,56.76 -45.206,56.255 -44.196,55.245 ; CON305.1@-22.987,40.894 -25.019,40.894 -32.857,48.732 S301.1@-33.312,48.732 -33.312,50.711 -37.908,55.307 -39.589,55.307 -40.66,56.378 -40.67,56.388 -41.813,55.245 -44.196,55.245 ; -54.102,41.91 -54.102,40.259 -53.74,39.897 -44.177,39.897 CON303.5@-43.434,40.64 -42.792,40.64 -41.715,41.717 -40.834,41.717 -39.817,42.734 -39.817,48.453 -42.672,51.308 -42.672,53.721 -44.196,55.245
  Bottom Layer w0.254: CON306.5@-115.697,7.865 -113.975,9.587 -113.195,9.587 -112.711,10.071 -112.711,21.147 -109.093,24.765 -99.441,24.765 -97.609,26.597 -97.609,35.887 v1(-101.092,39.37)
VCC: C302.2 C303.2 C304.2 C401.2 C402.2 C403.2 C404.2 C405.2 C406.2 C407.2 C408.2 C409.2 C410.2 C411.2 C412.2 CON302.2 CON303.2 CON306.2 D301.4 F301.1 LED401.1 LED402.1 LED403.1 LED404.1 LED405.1 LED406.1 LED407.1 LED408.1 LED409.1 LED410.1 LED411.1 LED412.1 R302.1 U301.4 U301.31 U301.32 | length 720.4
  Component Side w0.254: C407.2@-256.667,16.876 -258.576,16.876 LED407.1@-259.55,17.85 -259.55,18.123 -261.112,19.685 -264.729,19.685 -265.684,20.64 -265.684,21.722 -267.153,23.191 -267.153,37.544 -282.412,52.803 -282.412,56.293 -279.56,59.145 -279.56,62.952 -277.918,64.594 -274.249,64.594 -271.472,67.371 -271.472,73.333 -267.655,77.15 -267.335,77.15 -264.601,77.15 -264.276,76.824 -261.578,74.127 -258.665,74.127 -258.579,74.041 -252.222,74.041 -248.92,77.343 -215.519,77.343 -215.392,77.343 -215.321,77.414 -215.085,77.65 LED405.1@-212.95,77.65 -211.381,77.65 -209.804,76.073 -177.165,76.073 -175.006,78.232 -173.736,78.232 -170.532,78.232 LED404.1@-170.45,78.15 -167.992,75.692 -164.392,75.692 -164.084,75.384 -131.157,75.384 -131.084,75.311 v1(-130.556,75.311) ; LED408.1@-208.05,17.145 -207.948,17.247 -206.907,18.288 -205.994,18.288 -205.309,18.288 -201.997,21.6 -174.562,21.6 -172.085,19.123 -172.085,17.823 -171.335,17.073 -169.565,17.073 -168.788,17.85 LED409.1@-165.55,17.85 -163.773,17.85 -163.139,17.216 -158.496,12.573 -150.241,12.573 -143.256,19.558 -126.747,19.558 -123.19,16.002 v1(-117.475,16.002) ; v1(-127.635,77.597) -127.582,77.65 -125.349,77.65 LED403.1@-122.936,77.65 -119.89,77.65 -119.113,76.873 -114.262,76.873 -113.284,77.851 -77.724,77.851 -75.45,77.851 -75.438,77.851 -74.46,76.873 -66.764,76.873 -65.659,77.978 -29.21,77.978 -28.956,77.978 -28.628,77.65 LED401.1@-26.95,77.65 -25.834,77.65 -24.511,76.327 -24.511,74.422 -26.289,72.644 -29.845,72.644 -34.163,68.326 ; LED410.1@-117.946,17.527 -117.579,17.16 C410.2@-115.824,17.16 ; v1@-117.475,15.981 v1(-117.475,16.002) ; v1(-76.835,19.05) -78.867,21.082 -111.76,21.082 -115.682,17.16 C410.2@-115.824,17.16 ; v1(-71.819,18.224) -70.747,17.153 -70.55,16.956 -70.156,16.956 -70.05,16.85 -68.707,16.85 -63.173,16.85 -57.68,11.357 -29.543,11.357 v1(-24.05,16.85) -23.55,16.35 LED412.1@-22.05,16.35 -19.987,16.35 C412.2@-19.812,16.525 ; CON302.2@-51.308,44.831 -51.244,44.895 -50.673,45.466 v1(-50.673,47.117) ; C302.2@-50.785,69.215 -50.673,69.327 v1(-50.673,70.612) ; C302.2@-50.546,69.215 -50.666,69.095 -50.8,68.961 -50.8,68.735 -50.165,68.1 -48.288,68.1 -47.56,67.372 -47.56,65.587 U301.4@-47.606,65.541 -47.606,64.662 -47.756,64.512 U301.4@-47.756,63.741 ; v1(-48.26,52.705) -48.26,52.179 -43.332,47.251 -42.361,47.251 -40.894,45.784 CON303.2@-40.894,45.72 ; U301.31@-45.606,62.591 -45.126,62.591 -44.722,62.995 -44.628,62.995 -44.532,63.091 ; U301.32@-45.606,63.091 -44.532,63.091 ; -44.45,63.173 -44.532,63.091 ; U301.31@-43.806,63.341 U301.32@-43.806,64.141 -41.538,64.141 -40.652,65.026 -39.385,66.294 v1(-39.37,66.294) -38.608,67.056 -35.433,67.056 -34.163,68.326 ; R302.1@-39.35,56.388 -38.354,56.388 v1(-38.1,56.134) ; D301.4@-20.889,56.953 -20.889,57.517 C304.2@-19.177,59.229 ; F301.1@-15.193,58.166 -16.256,59.229 C304.2@-19.177,59.229 ; v1(-117.475,16.002) -116.982,16.002 C410.2@-115.824,17.16 ; -34.163,68.326 -32.258,68.326 -30.861,66.929 -30.861,65.659 -24.431,59.229 C304.2@-19.177,59.229
  Bottom Layer w0.254: v1(-130.556,75.311) -128.27,77.597 v1(-127.635,77.597) ; v1(-117.475,16.002) -117.329,15.856 -117.329,10.847 CON306.2@-116.967,10.485 ; v1(-76.835,19.05) -72.644,19.05 v1(-71.819,18.224) ; v1(-50.673,47.117) -49.846,47.944 -49.846,48.933 -49.211,49.568 -49.211,51.523 -48.144,52.589 -46.759,53.975 -43.561,53.975 -41.021,56.515 -41.021,59.055 ; v1(-50.673,70.612) -49.276,70.612 -46.736,68.072 -46.736,67.564 -43.688,64.516 -41.529,64.516 ; CON303.2@-40.894,45.72 -35.687,40.513 -26.924,40.513 -23.422,37.011 -23.422,32.104 -20.828,29.51 -20.828,26.924 -22.606,25.146 -25.4,25.146 -26.797,23.749 -26.797,19.597 v1(-24.05,16.85) ; v1(-39.37,66.294) -39.751,66.294 -41.529,64.516 ; v1(-38.1,56.134) -41.021,59.055 ; -41.529,64.516 -41.021,64.008 -41.021,59.055
pads on no net: CON301. CON301.A8 CON301.B8 CON302.0 CON306.0 FID1.0 FID2.0 FID3.0 LED412.2 S201. S202. S203. S204. S205. S206. S207. S208. S209. S210. S211. S212. S213. S214. S215. S216. S217. S218. S219. S220. S221. S222. S223. S224. S225. S226. S227. S228. S229. S230. S231. S232. S233. S234. S235. S236. S237. S238. S239. S240. S241. S242. S243. S244. S245. S246. S247. S248. S249. S250. S251. S252. S253. S254. S255. S256. S257. S258. S259. S260. S261. S262. S263. S264. S265. S266. S267. S268. S269. S270. S301.

## Polygon pours and split planes (outlines as drawn)
GND on Bottom Layer "Component Side-No Net" (solid, pour order 0): -0.635,93.995 -0.635,0.65 -283.972,0.65 -283.972,93.995
GND on Component Side "Component Side-No Net" (solid, pour order 2): -0.635,93.995 -0.635,0.65 -283.972,0.65 -283.972,93.995

## Other copper
Component Side:
  pour cut-out: -4.152,96.985 ccw(c-4.152,95.485) -4.152,93.985 cw(c-4.152,90.485) -0.652,90.485 ccw(c0.848,90.485) 0.848,88.985 ccw(c0.848,90.485) 2.349,90.485 ccw(c-4.152,90.485)
  pour cut-out: -280.525,-2.42 ccw(c-280.525,-0.92) -280.525,0.581 cw(c-280.525,4.08) -284.025,4.08 ccw(c-285.525,4.08) -285.525,5.581 ccw(c-285.525,4.08) -287.026,4.08 ccw(c-280.525,4.08)
  pour cut-out: -286.999,90.557 ccw(c-285.499,90.557) -283.999,90.557 cw(c-280.499,90.557) -280.499,94.056 ccw(c-280.499,95.557) -278.999,95.557 ccw(c-280.499,95.557) -280.499,97.057 ccw(c-280.499,90.557)
  pour cut-out: 2.411,4.189 ccw(c0.911,4.189) -0.59,4.189 cw(c-4.089,4.189) -4.089,0.69 ccw(c-4.089,-0.811) -5.59,-0.811 ccw(c-4.089,-0.811) -4.089,-2.311 ccw(c-4.089,4.189)
Bottom Layer:
  pour cut-out: -4.152,96.985 ccw(c-4.152,95.485) -4.152,93.985 cw(c-4.152,90.485) -0.652,90.485 ccw(c0.848,90.485) 0.848,88.985 ccw(c0.848,90.485) 2.349,90.485 ccw(c-4.152,90.485)
  pour cut-out: 2.411,4.189 ccw(c0.911,4.189) -0.59,4.189 cw(c-4.089,4.189) -4.089,0.69 ccw(c-4.089,-0.811) -5.59,-0.811 ccw(c-4.089,-0.811) -4.089,-2.311 ccw(c-4.089,4.189)
  pour cut-out: -280.525,-2.42 ccw(c-280.525,-0.92) -280.525,0.581 cw(c-280.525,4.08) -284.025,4.08 ccw(c-285.525,4.08) -285.525,5.581 ccw(c-285.525,4.08) -287.026,4.08 ccw(c-280.525,4.08)
  pour cut-out: -286.999,90.557 ccw(c-285.499,90.557) -283.999,90.557 cw(c-280.499,90.557) -280.499,94.056 ccw(c-280.499,95.557) -278.999,95.557 ccw(c-280.499,95.557) -280.499,97.057 ccw(c-280.499,90.557)

## Silkscreen, mask and mechanical layers (free items; w line width, h text height)
Top Overlay:
  drawing of 23 lines, arcs and shapes, not listed
  text "by 4pplet" at -229.108,58.928 h1.52
  text "C401-C412: 0.1uF (0603)  / R401: 470R (0603) / LED401-LED4012: WS2812B (5x5mm) /  / D201-D268: CD0603-B0340R (0603) / or any small signal 0603 diode" at -123.571,55.88 h0.75
  text "GND" at -32.639,55.118 h1.27 r270
  text "D-" at -30.099,55.118 h1.27 r270
  text "D+" at -27.559,55.118 h1.27 r270
  text "VBUS" at -24.892,55.118 h1.27 r270
  text "C301: 1uF  (0603) / C302-C303: 0.1uF (0603) / C304:  4.7uF (1206) / C305-C306: 18pF (0603) / R301-R302: 10K  (0603) / R303-R304: 5K1  (0603) / R305-R306: 22R  (0603) / U301: ATMEGA32U2 / X301: CTS 445, 16MHz / D301: PRTR5V0U2X / CON301: TYPE-C-31-M-12 / F301: 1206 polyfuse / S301: 6.2x6.2  SPST-NO" at -94.488,53.34 h0.75
  text "ICSP" at -44.831,47.498 h1.52
  text "RESET" at -32.258,41.402 h1.27
  text "1: MISO - 2: VTG / 3: SCLK - 4: MOSI / 5: RST  - 6: GND" at -69.088,41.275 h0.75
  text "RST" at -23.749,39.116 h1.27 r270
  text "GND" at -21.209,39.116 h1.27 r270
  text "QMK: make steezy60:default:dfu" at -153.035,37.211 h1.75
Bottom Overlay:
  drawing of 32 lines, arcs and shapes, not listed
  text "by 4pplet" at -241.681,59.182 h1.52
  text "CON304" at -18.161,57.277 h0.75
  text "GND" at -31.369,55.753 h1.27 r90
  text "D-" at -28.829,55.753 h1.27 r90
  text "D+" at -26.289,55.753 h1.27 r90
  text "VBUS" at -23.495,55.753 h1.27 r90
  text "ICSP" at -39.243,47.625 h1.52
  text "1" at -45.466,45.212 h1.27
  text "2" at -38.1,45.085 h1.27
  text "CON305" at -19.685,42.672 h0.75
  text "6" at -38.227,40.005 h1.27
  text "5" at -45.339,39.878 h1.27
  text "RST" at -22.479,39.116 h1.27 r90
  text "GND" at -19.939,39.116 h1.27 r90
  text "CON303" at -40.005,37.846 h0.75
  text "1: MISO - 2: VTG / 3: SCLK - 4: MOSI / 5: RST  - 6: GND" at -58.547,37.719 h0.75
  text "2" at -118.491,11.43 h0.75
  text "1" at -113.792,11.43 h0.75
  text "6" at -118.745,6.35 h0.75
  text "5" at -113.411,6.35 h0.75
  text "1: MISO - 2: VTG / 3: SCLK - 4: MOSI / 5: RST  - 6: GND" at -88.9,3.937 h0.75
Top Solder:
  drawing of 3 lines, arcs and shapes, not listed
  text "Steezy60-SMK" at -255.27,61.595 h7
  text "Steezy60-SMK" at -255.27,61.595 h7
  text "REV B4" at -254.762,59 h1.52
Solder Side:
  drawing of 3 lines, arcs and shapes, not listed
  text "Steezy60-SMK" at -215.138,61.595 h7
  text "REV B4" at -215.519,59.182 h1.52
outline:
  lines w0.203: -195.49,94.615 -195.484,94.608 ; -119.294,94.604 -119.29,94.608
  lines w0.254: -282,0.01 cw(c-282,3.01) -285,3.01 -285,91.615 cw(c-282,91.615) -282,94.615 -195.49,94.615 ; -282,0.015 -3,0.015 ; -198.628,94.615 -119.294,94.615 ; -124.46,94.615 -3,94.615 cw(c-3,91.615) 0,91.615 0,3.01 cw(c-3,3.01) -3,0.01

## Text inside footprints (layer, text, board x,y; h text height)
CON301: Mechanical 15 "connector edge" at -15.25,95.75 h1 r180
CON303: Top Overlay "1" at -46.101,45.212 h1.27; Top Overlay "2" at -38.989,45.085 h1.27; Top Overlay "5" at -46.228,39.751 h1.27; Top Overlay "6" at -39.116,40.005 h1.27
S262: Mechanical 16 "7U" at -141.564,3.89 h1.52; Mechanical 16 "6U" at -131.824,11.515 h1.52; Mechanical 16 "6.25U" at -124.574,4.94 h1.52; Mechanical 16 "6.25U" at -188.764,5.615 h1.52 r270; Mechanical 16 "7U" at -208.331,7.365 h1.52 r270